# KiCad board JL-rev1.kicad_pcb (continued)
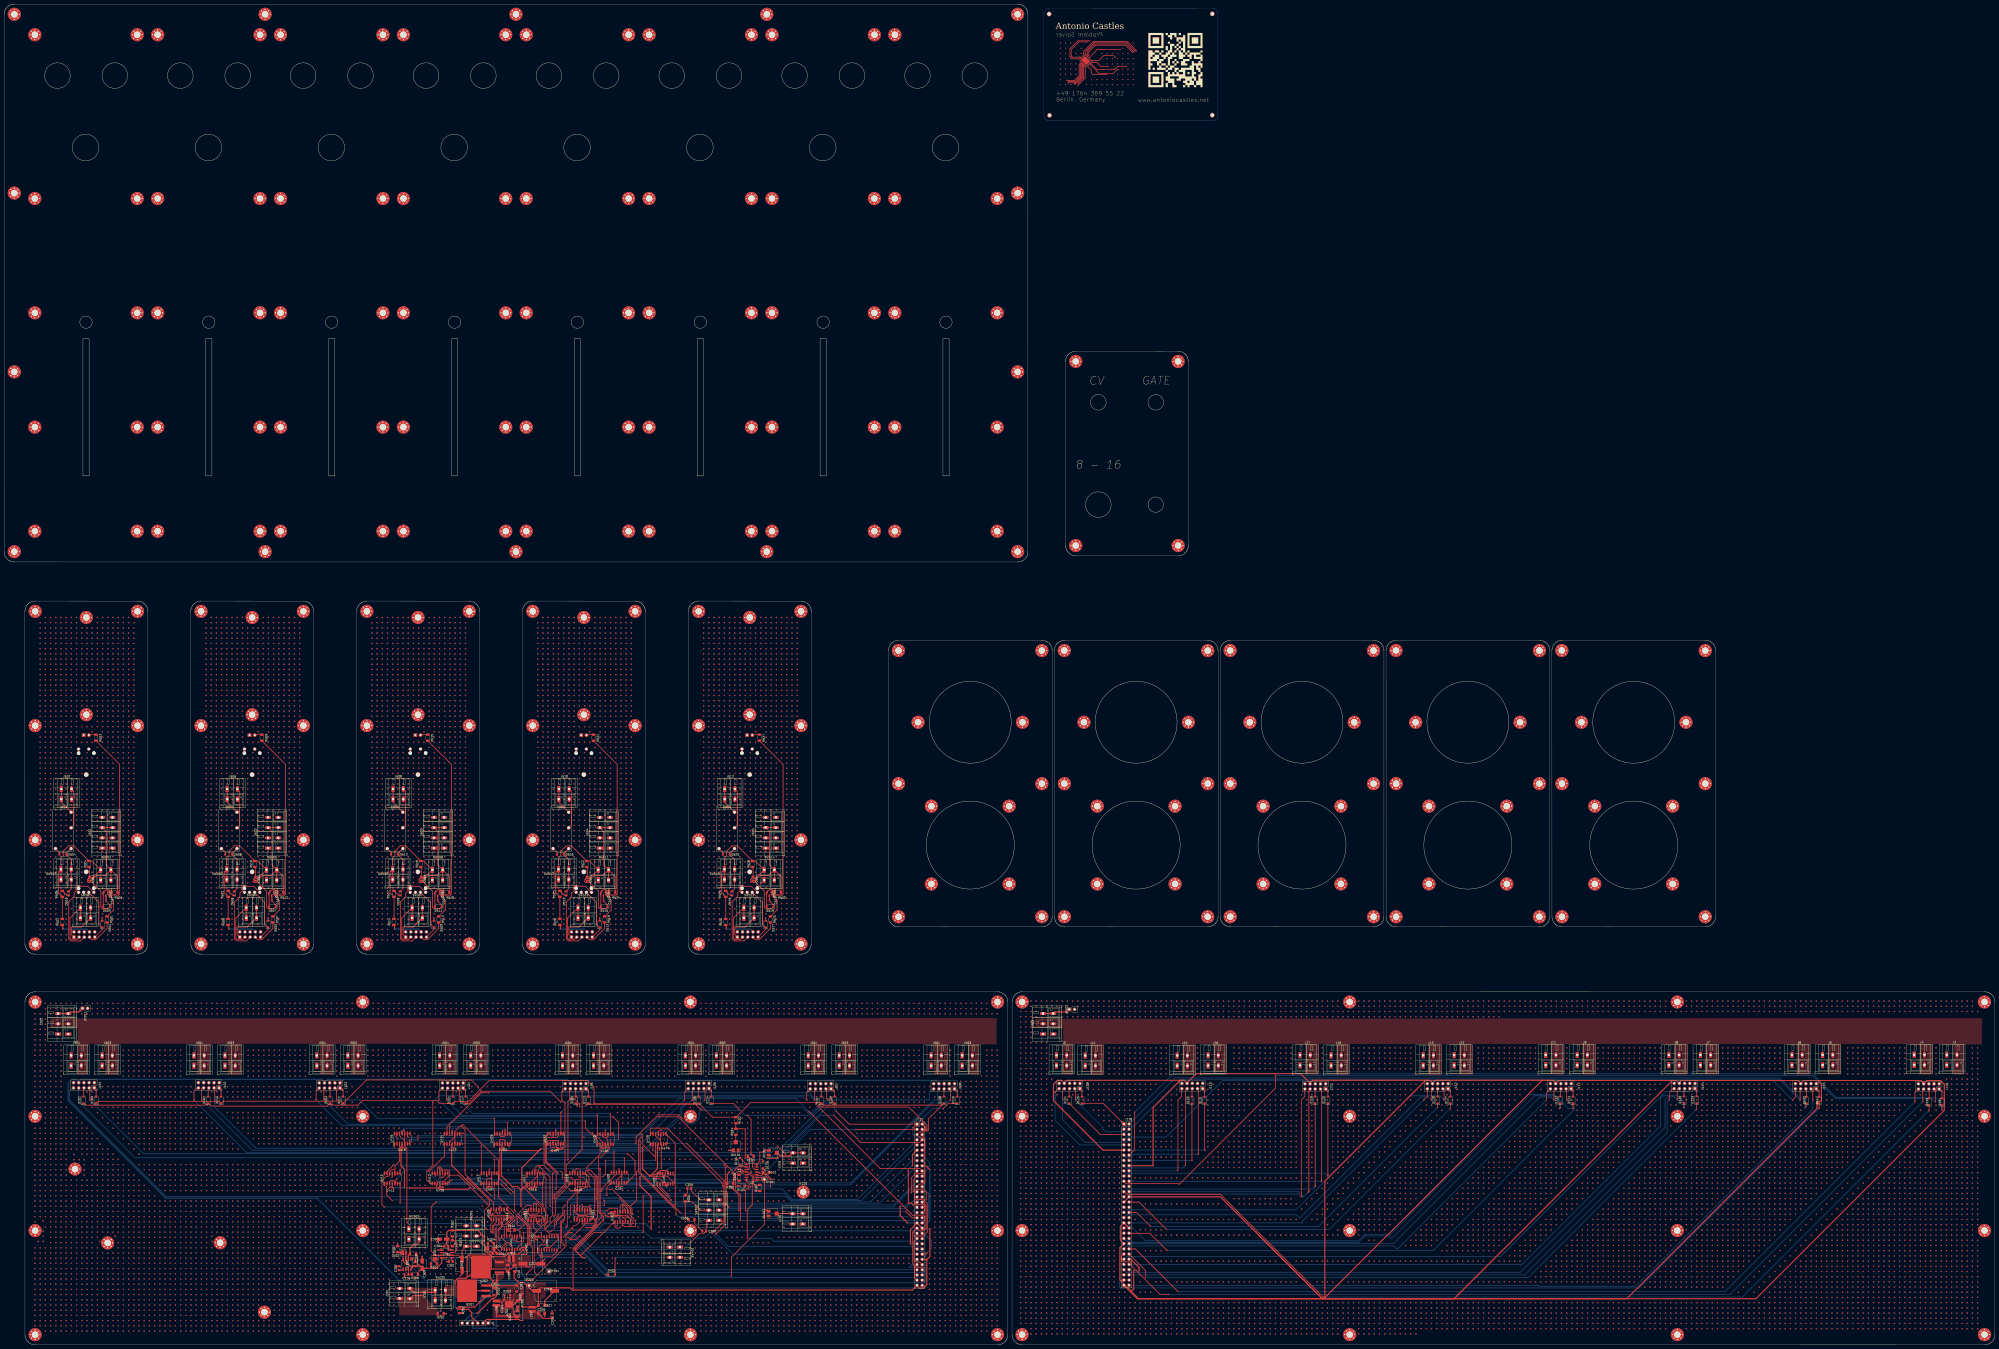
[diagram p0: board, top side]
## Routing (per net, layer and track width the routed paths; a pad name or vN(x,y) marks a point on that pad's centre or on a via; arc(x,y) is an arc through that point) (continued)
v4(885.06,15.55) v4(885.06,13.01) v4(885.06,10.47) v4(885.06,7.93) v4(887.6,167.95) v4(887.6,165.41) v4(887.6,162.87) v4(887.6,112.07) v4(887.6,109.53) v4(887.6,106.99) v4(887.6,104.45) v4(887.6,101.91) v4(887.6,99.37) v4(887.6,96.83) v4(887.6,94.29) v4(887.6,91.75) v4(887.6,89.21) v4(887.6,86.67) v4(887.6,84.13) v4(887.6,81.59) v4(887.6,79.05) v4(887.6,76.51) v4(887.6,66.35) v4(887.6,58.73) v4(887.6,51.11) v4(887.6,48.57) v4(887.6,46.03) v4(887.6,43.49) v4(887.6,40.95) v4(887.6,38.41) v4(887.6,35.87) v4(887.6,33.33) v4(887.6,30.79) v4(887.6,28.25) v4(887.6,25.71) v4(887.6,23.17) v4(887.6,20.63) v4(887.6,18.09) v4(887.6,15.55) v4(887.6,13.01) v4(887.6,10.47) v4(887.6,7.93) v4(890.14,167.95) v4(890.14,165.41) v4(890.14,162.87) v4(890.14,122.23) v4(890.14,119.69) v4(890.14,117.15) v4(890.14,114.61) v4(890.14,112.07) v4(890.14,109.53) v4(890.14,106.99) v4(890.14,104.45) v4(890.14,101.91) v4(890.14,99.37) v4(890.14,96.83) v4(890.14,94.29) v4(890.14,91.75) v4(890.14,89.21) v4(890.14,86.67) v4(890.14,84.13) v4(890.14,81.59) v4(890.14,79.05) v4(890.14,68.89) v4(890.14,61.27) v4(890.14,53.65) v4(890.14,51.11) v4(890.14,48.57) v4(890.14,46.03) v4(890.14,43.49) v4(890.14,40.95) v4(890.14,38.41) v4(890.14,35.87) v4(890.14,33.33) v4(890.14,30.79) v4(890.14,28.25) v4(890.14,25.71) v4(890.14,23.17) v4(890.14,20.63) v4(890.14,18.09) v4(890.14,15.55) v4(890.14,13.01) v4(890.14,10.47) v4(890.14,7.93) v4(892.68,167.95) v4(892.68,165.41) v4(892.68,162.87) v4(892.68,127.31) v4(892.68,119.69) v4(892.68,117.15) v4(892.68,114.61) v4(892.68,112.07) v4(892.68,109.53) v4(892.68,106.99) v4(892.68,104.45) v4(892.68,101.91) v4(892.68,99.37) v4(892.68,96.83) v4(892.68,94.29) v4(892.68,91.75) v4(892.68,89.21) v4(892.68,86.67) v4(892.68,84.13) v4(892.68,81.59) v4(892.68,71.43) v4(892.68,63.81) v4(892.68,56.19) v4(892.68,53.65) v4(892.68,51.11) v4(892.68,48.57) v4(892.68,46.03) v4(892.68,43.49) v4(892.68,40.95) v4(892.68,38.41) v4(892.68,35.87) v4(892.68,33.33) v4(892.68,30.79) v4(892.68,28.25) v4(892.68,25.71) v4(892.68,23.17) v4(892.68,20.63) v4(892.68,18.09) v4(892.68,15.55) v4(892.68,13.01) v4(892.68,10.47) v4(892.68,7.93) v4(895.22,167.95) v4(895.22,165.41) v4(895.22,162.87) v4(895.22,127.31) v4(895.22,124.77) v4(895.22,117.15) v4(895.22,114.61) v4(895.22,112.07) v4(895.22,109.53) v4(895.22,106.99) v4(895.22,104.45) v4(895.22,101.91) v4(895.22,99.37) v4(895.22,96.83) v4(895.22,94.29) v4(895.22,91.75) v4(895.22,89.21) v4(895.22,86.67) v4(895.22,84.13) v4(895.22,73.97) v4(895.22,66.35) v4(895.22,58.73) v4(895.22,56.19) v4(895.22,53.65) v4(895.22,51.11) v4(895.22,48.57) v4(895.22,46.03) v4(895.22,43.49) v4(895.22,40.95) v4(895.22,38.41) v4(895.22,35.87) v4(895.22,33.33) v4(895.22,30.79) v4(895.22,28.25) v4(895.22,25.71) v4(895.22,23.17) v4(895.22,20.63) v4(895.22,18.09) v4(895.22,15.55) v4(895.22,13.01) v4(895.22,10.47) v4(895.22,7.93) v4(897.76,167.95) v4(897.76,165.41) v4(897.76,162.87) v4(897.76,127.31) v4(897.76,124.77) v4(897.76,122.23) v4(897.76,117.15) v4(897.76,114.61) v4(897.76,112.07) v4(897.76,109.53) v4(897.76,106.99) v4(897.76,104.45) v4(897.76,101.91) v4(897.76,99.37) v4(897.76,96.83) v4(897.76,94.29) v4(897.76,91.75) v4(897.76,89.21) v4(897.76,86.67) v4(897.76,76.51) v4(897.76,68.89) v4(897.76,61.27) v4(897.76,58.73) v4(897.76,56.19) v4(897.76,53.65) v4(897.76,51.11) v4(897.76,48.57) v4(897.76,46.03) v4(897.76,43.49) v4(897.76,40.95) v4(897.76,38.41) v4(897.76,35.87) v4(897.76,33.33) v4(897.76,30.79) v4(897.76,28.25) v4(897.76,25.71) v4(897.76,23.17) v4(897.76,20.63) v4(897.76,18.09) v4(897.76,15.55) v4(897.76,13.01) v4(897.76,10.47) v4(897.76,7.93) v4(900.3,167.95) v4(900.3,165.41) v4(900.3,162.87) v4(900.3,145.09) v4(900.3,142.55) v4(900.3,140.01) v4(900.3,137.47) v4(900.3,134.93) v4(900.3,132.39) v4(900.3,127.31) v4(900.3,124.77) v4(900.3,122.23) v4(900.3,117.15) v4(900.3,114.61) v4(900.3,112.07) v4(900.3,109.53) v4(900.3,106.99) v4(900.3,104.45) v4(900.3,101.91) v4(900.3,99.37) v4(900.3,96.83) v4(900.3,94.29) v4(900.3,91.75) v4(900.3,89.21) v4(900.3,79.05) v4(900.3,71.43) v4(900.3,63.81) v4(900.3,61.27) v4(900.3,58.73) v4(900.3,56.19) v4(900.3,53.65) v4(900.3,51.11) v4(900.3,48.57) v4(900.3,46.03) v4(900.3,43.49) v4(900.3,40.95) v4(900.3,38.41) v4(900.3,35.87) v4(900.3,33.33) v4(900.3,30.79) v4(900.3,28.25) v4(900.3,25.71) v4(900.3,23.17) v4(900.3,20.63) v4(900.3,18.09) v4(900.3,15.55) v4(900.3,13.01) v4(900.3,10.47) v4(900.3,7.93) v4(902.84,167.95) v4(902.84,165.41) v4(902.84,162.87) v4(902.84,145.09) v4(902.84,142.55) v4(902.84,140.01) v4(902.84,137.47) v4(902.84,134.93) v4(902.84,132.39) v4(902.84,127.31) v4(902.84,124.77) v4(902.84,122.23) v4(902.84,117.15) v4(902.84,114.61) v4(902.84,112.07) v4(902.84,109.53) v4(902.84,106.99) v4(902.84,104.45) v4(902.84,101.91) v4(902.84,99.37) v4(902.84,96.83) v4(902.84,94.29) v4(902.84,91.75) v4(902.84,81.59) v4(902.84,73.97) v4(902.84,66.35) v4(902.84,63.81) v4(902.84,61.27) v4(902.84,58.73) v4(902.84,56.19) v4(902.84,53.65) v4(902.84,51.11) v4(902.84,48.57) v4(902.84,46.03) v4(902.84,43.49) v4(902.84,40.95) v4(902.84,38.41) v4(902.84,35.87) v4(902.84,33.33) v4(902.84,30.79) v4(902.84,28.25) v4(902.84,25.71) v4(902.84,23.17) v4(902.84,20.63) v4(902.84,18.09) v4(902.84,15.55) v4(902.84,13.01) v4(902.84,10.47) v4(902.84,7.93) v4(905.38,167.95) v4(905.38,165.41) v4(905.38,162.87) v4(905.38,145.09) v4(905.38,142.55) v4(905.38,140.01) v4(905.38,137.47) v4(905.38,134.93) v4(905.38,132.39) v4(905.38,127.31) v4(905.38,124.77) v4(905.38,122.23) v4(905.38,117.15) v4(905.38,114.61) v4(905.38,112.07) v4(905.38,109.53) v4(905.38,106.99) v4(905.38,104.45) v4(905.38,101.91) v4(905.38,99.37) v4(905.38,96.83) v4(905.38,94.29) v4(905.38,84.13) v4(905.38,76.51) v4(905.38,68.89) v4(905.38,66.35) v4(905.38,63.81) v4(905.38,61.27) v4(905.38,58.73) v4(905.38,56.19) v4(905.38,53.65) v4(905.38,51.11) v4(905.38,48.57) v4(905.38,46.03) v4(905.38,43.49) v4(905.38,40.95) v4(905.38,38.41) v4(905.38,35.87) v4(905.38,33.33) v4(905.38,30.79) v4(905.38,28.25) v4(905.38,25.71) v4(905.38,23.17) v4(905.38,20.63) v4(905.38,18.09) v4(905.38,15.55) v4(905.38,13.01) v4(905.38,10.47) v4(905.38,7.93) v4(907.92,167.95) v4(907.92,165.41) v4(907.92,162.87) v4(907.92,145.09) v4(907.92,142.55) v4(907.92,140.01) v4(907.92,137.47) v4(907.92,134.93) v4(907.92,132.39) v4(907.92,127.31) v4(907.92,124.77) v4(907.92,122.23) v4(907.92,117.15) v4(907.92,114.61) v4(907.92,112.07) v4(907.92,109.53) v4(907.92,106.99) v4(907.92,104.45) v4(907.92,101.91) v4(907.92,99.37) v4(907.92,96.83) v4(907.92,86.67) v4(907.92,79.05) v4(907.92,71.43) v4(907.92,68.89) v4(907.92,66.35) v4(907.92,63.81) v4(907.92,61.27) v4(907.92,58.73) v4(907.92,56.19) v4(907.92,53.65) v4(907.92,51.11) v4(907.92,48.57) v4(907.92,46.03) v4(907.92,43.49) v4(907.92,40.95) v4(907.92,38.41) v4(907.92,35.87) v4(907.92,33.33) v4(907.92,30.79) v4(907.92,28.25) v4(907.92,25.71) v4(907.92,23.17) v4(907.92,20.63) v4(907.92,18.09) v4(907.92,15.55) v4(907.92,13.01) v4(907.92,10.47) v4(907.92,7.93) v4(910.46,167.95) v4(910.46,165.41) v4(910.46,162.87) v4(910.46,145.09) v4(910.46,142.55) v4(910.46,140.01) v4(910.46,137.47) v4(910.46,134.93) v4(910.46,132.39) v4(910.46,127.31) v4(910.46,124.77) v4(910.46,122.23) v4(910.46,117.15) v4(910.46,114.61) v4(910.46,112.07) v4(910.46,109.53) v4(910.46,106.99) v4(910.46,104.45) v4(910.46,101.91) v4(910.46,99.37) v4(910.46,89.21) v4(910.46,81.59) v4(910.46,73.97) v4(910.46,71.43) v4(910.46,68.89) v4(910.46,66.35) v4(910.46,63.81) v4(910.46,61.27) v4(910.46,58.73) v4(910.46,56.19) v4(910.46,53.65) v4(910.46,51.11) v4(910.46,48.57) v4(910.46,46.03) v4(910.46,43.49) v4(910.46,40.95) v4(910.46,38.41) v4(910.46,35.87) v4(910.46,33.33) v4(910.46,30.79) v4(910.46,28.25) v4(910.46,25.71) v4(910.46,23.17) v4(910.46,20.63) v4(910.46,18.09) v4(910.46,15.55) v4(910.46,13.01) v4(910.46,10.47) v4(910.46,7.93) v4(913,167.95) v4(913,165.41) v4(913,162.87) v4(913,145.09) v4(913,142.55) v4(913,140.01) v4(913,137.47) v4(913,134.93) v4(913,132.39) v4(913,127.31) v4(913,124.77) v4(913,122.23) v4(913,117.15) v4(913,114.61) v4(913,112.07) v4(913,109.53) v4(913,106.99) v4(913,104.45) v4(913,101.91) v4(913,91.75) v4(913,84.13) v4(913,76.51) v4(913,73.97) v4(913,71.43) v4(913,68.89) v4(913,66.35) v4(913,63.81) v4(913,61.27) v4(913,58.73) v4(913,56.19) v4(913,53.65) v4(913,51.11) v4(913,48.57) v4(913,46.03) v4(913,43.49) v4(913,40.95) v4(913,38.41) v4(913,35.87) v4(913,33.33) v4(913,30.79) v4(913,28.25) v4(913,25.71) v4(913,23.17) v4(913,20.63) v4(913,18.09) v4(913,15.55) v4(913,13.01) v4(913,10.47) v4(913,7.93) v4(915.54,167.95) v4(915.54,165.41) v4(915.54,162.87) v4(915.54,145.09) v4(915.54,142.55) v4(915.54,140.01) v4(915.54,137.47) v4(915.54,134.93) v4(915.54,132.39) v4(915.54,127.31) v4(915.54,124.77) v4(915.54,122.23) v4(915.54,117.15) v4(915.54,114.61) v4(915.54,112.07) v4(915.54,109.53) v4(915.54,106.99) v4(915.54,104.45) v4(915.54,94.29) v4(915.54,86.67) v4(915.54,79.05) v4(915.54,76.51) v4(915.54,73.97) v4(915.54,71.43) v4(915.54,68.89) v4(915.54,66.35) v4(915.54,63.81) v4(915.54,61.27) v4(915.54,58.73) v4(915.54,56.19) v4(915.54,53.65) v4(915.54,51.11) v4(915.54,48.57) v4(915.54,46.03) v4(915.54,43.49) v4(915.54,40.95) v4(915.54,38.41) v4(915.54,35.87) v4(915.54,33.33) v4(915.54,30.79) v4(915.54,28.25) v4(915.54,25.71) v4(915.54,23.17) v4(915.54,20.63) v4(915.54,18.09) v4(915.54,15.55) v4(915.54,13.01) v4(915.54,10.47) v4(915.54,7.93) v4(918.08,167.95) v4(918.08,165.41) v4(918.08,162.87) v4(918.08,145.09) v4(918.08,142.55) v4(918.08,140.01) v4(918.08,137.47) v4(918.08,134.93) v4(918.08,132.39) v4(918.08,127.31) v4(918.08,124.77) v4(918.08,122.23) v4(918.08,117.15) v4(918.08,114.61) v4(918.08,112.07) v4(918.08,109.53) v4(918.08,106.99) v4(918.08,96.83) v4(918.08,89.21) v4(918.08,81.59) v4(918.08,79.05) v4(918.08,76.51) v4(918.08,73.97) v4(918.08,71.43) v4(918.08,68.89) v4(918.08,66.35) v4(918.08,63.81) v4(918.08,61.27) v4(918.08,58.73) v4(918.08,56.19) v4(918.08,53.65) v4(918.08,51.11) v4(918.08,48.57) v4(918.08,46.03) v4(918.08,43.49) v4(918.08,40.95) v4(918.08,38.41) v4(918.08,35.87) v4(918.08,33.33) v4(918.08,30.79) v4(918.08,28.25) v4(918.08,25.71) v4(918.08,23.17) v4(918.08,20.63) v4(918.08,18.09) v4(918.08,15.55) v4(918.08,13.01) v4(918.08,10.47) v4(918.08,7.93) v4(920.62,167.95) v4(920.62,165.41) v4(920.62,162.87) v4(920.62,145.09) v4(920.62,142.55) v4(920.62,140.01) v4(920.62,137.47) v4(920.62,134.93) v4(920.62,132.39) v4(920.62,127.31) v4(920.62,124.77) v4(920.62,122.23) v4(920.62,117.15) v4(920.62,114.61) v4(920.62,112.07) v4(920.62,109.53) v4(920.62,99.37) v4(920.62,91.75) v4(920.62,84.13) v4(920.62,81.59) v4(920.62,79.05) v4(920.62,76.51) v4(920.62,73.97) v4(920.62,71.43) v4(920.62,68.89) v4(920.62,66.35) v4(920.62,63.81) v4(920.62,61.27) v4(920.62,58.73) v4(920.62,56.19) v4(920.62,53.65) v4(920.62,51.11) v4(920.62,48.57) v4(920.62,46.03) v4(920.62,43.49) v4(920.62,40.95) v4(920.62,38.41) v4(920.62,35.87) v4(920.62,33.33) v4(920.62,30.79) v4(920.62,28.25) v4(920.62,25.71) v4(920.62,23.17) v4(920.62,20.63) v4(920.62,18.09) v4(920.62,15.55) v4(920.62,13.01) v4(920.62,10.47) v4(920.62,7.93) v4(923.16,167.95) v4(923.16,165.41) v4(923.16,162.87) v4(923.16,145.09) v4(923.16,142.55) v4(923.16,140.01) v4(923.16,137.47) v4(923.16,134.93) v4(923.16,132.39) v4(923.16,127.31) v4(923.16,124.77) v4(923.16,122.23) v4(923.16,117.15) v4(923.16,114.61) v4(923.16,112.07) v4(923.16,101.91) v4(923.16,94.29) v4(923.16,86.67) v4(923.16,84.13) v4(923.16,81.59) v4(923.16,79.05) v4(923.16,76.51) v4(923.16,73.97) v4(923.16,71.43) v4(923.16,68.89) v4(923.16,66.35) v4(923.16,63.81) v4(923.16,61.27) v4(923.16,58.73) v4(923.16,56.19) v4(923.16,53.65) v4(923.16,51.11) v4(923.16,48.57) v4(923.16,46.03) v4(923.16,43.49) v4(923.16,40.95) v4(923.16,38.41) v4(923.16,35.87) v4(923.16,33.33) v4(923.16,30.79) v4(923.16,28.25) v4(923.16,25.71) v4(923.16,23.17) v4(923.16,20.63) v4(923.16,18.09) v4(923.16,15.55) v4(923.16,13.01) v4(923.16,10.47) v4(923.16,7.93) v4(925.7,167.95) v4(925.7,165.41) v4(925.7,162.87) v4(925.7,145.09) v4(925.7,142.55) v4(925.7,140.01) v4(925.7,137.47) v4(925.7,134.93) v4(925.7,132.39) v4(925.7,127.31) v4(925.7,124.77) v4(925.7,122.23) v4(925.7,117.15) v4(925.7,114.61) v4(925.7,104.45) v4(925.7,96.83) v4(925.7,89.21) v4(925.7,86.67) v4(925.7,84.13) v4(925.7,81.59) v4(925.7,79.05) v4(925.7,76.51) v4(925.7,73.97) v4(925.7,71.43) v4(925.7,68.89) v4(925.7,66.35) v4(925.7,63.81) v4(925.7,61.27) v4(925.7,58.73) v4(925.7,56.19) v4(925.7,53.65) v4(925.7,51.11) v4(925.7,48.57) v4(925.7,46.03) v4(925.7,43.49) v4(925.7,40.95) v4(925.7,38.41) v4(925.7,35.87) v4(925.7,33.33) v4(925.7,30.79) v4(925.7,28.25) v4(925.7,25.71) v4(925.7,23.17) v4(925.7,20.63) v4(925.7,18.09) v4(925.7,15.55) v4(925.7,13.01) v4(925.7,10.47) v4(925.7,7.93) v4(928.24,167.95) v4(928.24,165.41) v4(928.24,162.87) v4(928.24,145.09) v4(928.24,142.55) v4(928.24,140.01) v4(928.24,137.47) v4(928.24,134.93) v4(928.24,132.39) v4(928.24,127.31) v4(928.24,124.77) v4(928.24,122.23) v4(928.24,117.15) v4(928.24,106.99) v4(928.24,99.37) v4(928.24,91.75) v4(928.24,89.21) v4(928.24,86.67) v4(928.24,84.13) v4(928.24,81.59) v4(928.24,79.05) v4(928.24,76.51) v4(928.24,73.97) v4(928.24,71.43) v4(928.24,68.89) v4(928.24,66.35) v4(928.24,63.81) v4(928.24,61.27) v4(928.24,58.73) v4(928.24,56.19) v4(928.24,53.65) v4(928.24,51.11) v4(928.24,48.57) v4(928.24,46.03) v4(928.24,43.49) v4(928.24,40.95) v4(928.24,38.41) v4(928.24,35.87) v4(928.24,33.33) v4(928.24,30.79) v4(928.24,28.25) v4(928.24,25.71) v4(928.24,23.17) v4(928.24,20.63) v4(928.24,18.09) v4(928.24,15.55) v4(928.24,13.01) v4(928.24,10.47) v4(928.24,7.93) v4(930.78,167.95) v4(930.78,165.41) v4(930.78,162.87) v4(930.78,127.31) v4(930.78,124.77) v4(930.78,122.23) v4(930.78,109.53) v4(930.78,101.91) v4(930.78,94.29) v4(930.78,91.75) v4(930.78,89.21) v4(930.78,86.67) v4(930.78,84.13) v4(930.78,81.59) v4(930.78,79.05) v4(930.78,76.51) v4(930.78,73.97) v4(930.78,71.43) v4(930.78,68.89) v4(930.78,66.35) v4(930.78,63.81) v4(930.78,61.27) v4(930.78,58.73) v4(930.78,56.19) v4(930.78,53.65) v4(930.78,51.11) v4(930.78,48.57) v4(930.78,46.03) v4(930.78,43.49) v4(930.78,40.95) v4(930.78,38.41) v4(930.78,35.87) v4(930.78,33.33) v4(930.78,30.79) v4(930.78,28.25) v4(930.78,25.71) v4(930.78,23.17) v4(930.78,20.63) v4(930.78,18.09) v4(930.78,15.55) v4(930.78,13.01) v4(930.78,10.47) v4(930.78,7.93) v4(933.32,167.95) v4(933.32,165.41) v4(933.32,162.87) v4(933.32,112.07) v4(933.32,104.45) v4(933.32,96.83) v4(933.32,94.29) v4(933.32,91.75) v4(933.32,89.21) v4(933.32,86.67) v4(933.32,84.13) v4(933.32,81.59) v4(933.32,79.05) v4(933.32,76.51) v4(933.32,73.97) v4(933.32,71.43) v4(933.32,68.89) v4(933.32,66.35) v4(933.32,63.81) v4(933.32,61.27) v4(933.32,58.73) v4(933.32,56.19) v4(933.32,53.65) v4(933.32,51.11) v4(933.32,48.57) v4(933.32,46.03) v4(933.32,43.49) v4(933.32,40.95) v4(933.32,38.41) v4(933.32,35.87) v4(933.32,33.33) v4(933.32,30.79) v4(933.32,28.25) v4(933.32,25.71) v4(933.32,23.17) v4(933.32,20.63) v4(933.32,18.09) v4(933.32,15.55) v4(933.32,13.01) v4(933.32,10.47) v4(933.32,7.93) v4(935.86,167.95) v4(935.86,165.41) v4(935.86,162.87) v4(935.86,122.23) v4(935.86,114.61) v4(935.86,106.99) v4(935.86,99.37) v4(935.86,96.83) v4(935.86,94.29) v4(935.86,91.75) v4(935.86,89.21) v4(935.86,86.67) v4(935.86,84.13) v4(935.86,81.59) v4(935.86,79.05) v4(935.86,76.51) v4(935.86,73.97) v4(935.86,71.43) v4(935.86,68.89) v4(935.86,66.35) v4(935.86,63.81) v4(935.86,61.27) v4(935.86,58.73) v4(935.86,56.19) v4(935.86,53.65) v4(935.86,51.11) v4(935.86,48.57) v4(935.86,46.03) v4(935.86,43.49) v4(935.86,40.95) v4(935.86,38.41) v4(935.86,35.87) v4(935.86,33.33) v4(935.86,30.79) v4(935.86,28.25) v4(935.86,25.71) v4(935.86,23.17) v4(935.86,20.63) v4(935.86,18.09) v4(935.86,15.55) v4(935.86,13.01) v4(935.86,10.47) v4(935.86,7.93) v4(938.4,167.95) v4(938.4,165.41) v4(938.4,162.87) v4(938.4,122.23) v4(938.4,117.15) v4(938.4,109.53) v4(938.4,101.91) v4(938.4,99.37) v4(938.4,96.83) v4(938.4,94.29) v4(938.4,91.75) v4(938.4,89.21) v4(938.4,86.67) v4(938.4,84.13) v4(938.4,81.59) v4(938.4,79.05) v4(938.4,76.51) v4(938.4,73.97) v4(938.4,71.43) v4(938.4,68.89) v4(938.4,66.35) v4(938.4,63.81) v4(938.4,61.27) v4(938.4,58.73) v4(938.4,56.19) v4(938.4,53.65) v4(938.4,51.11) v4(938.4,48.57) v4(938.4,46.03) v4(938.4,43.49) v4(938.4,40.95) v4(938.4,38.41) v4(938.4,35.87) v4(938.4,33.33) v4(938.4,30.79) v4(938.4,28.25) v4(938.4,25.71) v4(938.4,23.17) v4(938.4,20.63) v4(938.4,18.09) v4(938.4,15.55) v4(938.4,13.01) v4(938.4,10.47) v4(938.4,7.93) v4(940.94,167.95) v4(940.94,165.41) v4(940.94,162.87) v4(940.94,112.07) v4(940.94,104.45) v4(940.94,101.91) v4(940.94,99.37) v4(940.94,96.83) v4(940.94,94.29) v4(940.94,91.75) v4(940.94,89.21) v4(940.94,86.67) v4(940.94,84.13) v4(940.94,81.59) v4(940.94,79.05) v4(940.94,76.51) v4(940.94,73.97) v4(940.94,71.43) v4(940.94,68.89) v4(940.94,66.35) v4(940.94,63.81) v4(940.94,61.27) v4(940.94,58.73) v4(940.94,56.19) v4(940.94,53.65) v4(940.94,51.11) v4(940.94,48.57) v4(940.94,46.03) v4(940.94,43.49) v4(940.94,40.95) v4(940.94,38.41) v4(940.94,35.87) v4(940.94,33.33) v4(940.94,30.79) v4(940.94,28.25) v4(940.94,25.71) v4(940.94,23.17) v4(940.94,20.63) v4(940.94,18.09) v4(940.94,15.55) v4(940.94,13.01) v4(940.94,10.47) v4(940.94,7.93) v4(943.48,167.95) v4(943.48,165.41) v4(943.48,162.87) v4(943.48,145.09) v4(943.48,142.55) v4(943.48,140.01) v4(943.48,137.47) v4(943.48,134.93) v4(943.48,132.39) v4(943.48,117.15) v4(943.48,114.61) v4(943.48,106.99) v4(943.48,104.45) v4(943.48,101.91) v4(943.48,99.37) v4(943.48,96.83) v4(943.48,94.29) v4(943.48,91.75) v4(943.48,89.21) v4(943.48,86.67) v4(943.48,84.13) v4(943.48,81.59) v4(943.48,79.05) v4(943.48,76.51) v4(943.48,73.97) v4(943.48,71.43) v4(943.48,68.89) v4(943.48,66.35) v4(943.48,63.81) v4(943.48,61.27) v4(943.48,58.73) v4(943.48,56.19) v4(943.48,53.65) v4(943.48,51.11) v4(943.48,48.57) v4(943.48,46.03) v4(943.48,43.49) v4(943.48,40.95) v4(943.48,38.41) v4(943.48,35.87) v4(943.48,33.33) v4(943.48,30.79) v4(943.48,28.25) v4(943.48,25.71) v4(943.48,23.17) v4(943.48,20.63) v4(943.48,18.09) v4(943.48,15.55) v4(943.48,13.01) v4(943.48,10.47) v4(943.48,7.93) v4(946.02,167.95) v4(946.02,165.41) v4(946.02,162.87) v4(946.02,109.53) v4(946.02,106.99) v4(946.02,104.45) v4(946.02,101.91) v4(946.02,99.37) v4(946.02,96.83) v4(946.02,94.29) v4(946.02,91.75) v4(946.02,89.21) v4(946.02,86.67) v4(946.02,84.13) v4(946.02,81.59) v4(946.02,79.05) v4(946.02,76.51) v4(946.02,73.97) v4(946.02,71.43) v4(946.02,68.89) v4(946.02,66.35) v4(946.02,63.81) v4(946.02,61.27) v4(946.02,58.73) v4(946.02,56.19) v4(946.02,53.65) v4(946.02,51.11) v4(946.02,48.57) v4(946.02,46.03) v4(946.02,43.49) v4(946.02,40.95) v4(946.02,38.41) v4(946.02,35.87) v4(946.02,33.33) v4(946.02,30.79) v4(946.02,28.25) v4(946.02,25.71) v4(946.02,23.17) v4(946.02,20.63) v4(946.02,18.09) v4(946.02,15.55) v4(946.02,13.01) v4(946.02,10.47) v4(946.02,7.93) v4(948.56,167.95) v4(948.56,165.41) v4(948.56,162.87) v4(948.56,129.85) v4(948.56,112.07) v4(948.56,109.53) v4(948.56,106.99) v4(948.56,104.45) v4(948.56,101.91) v4(948.56,99.37) v4(948.56,96.83) v4(948.56,94.29) v4(948.56,91.75) v4(948.56,89.21) v4(948.56,86.67) v4(948.56,84.13) v4(948.56,81.59) v4(948.56,79.05) v4(948.56,76.51) v4(948.56,73.97) v4(948.56,71.43) v4(948.56,68.89) v4(948.56,66.35) v4(948.56,63.81) v4(948.56,61.27) v4(948.56,58.73) v4(948.56,56.19) v4(948.56,53.65) v4(948.56,51.11) v4(948.56,48.57) v4(948.56,46.03) v4(948.56,43.49) v4(948.56,40.95) v4(948.56,38.41) v4(948.56,35.87) v4(948.56,33.33) v4(948.56,30.79) v4(948.56,28.25) v4(948.56,25.71) v4(948.56,23.17) v4(948.56,20.63) v4(948.56,18.09) v4(948.56,15.55) v4(948.56,13.01) v4(948.56,10.47) v4(948.56,7.93) v4(951.1,167.95) v4(951.1,165.41) v4(951.1,162.87) v4(951.1,129.85) v4(951.1,127.31) v4(951.1,124.77) v4(951.1,122.23) v4(951.1,119.69) v4(951.1,117.15) v4(951.1,114.61) v4(951.1,112.07) v4(951.1,109.53) v4(951.1,106.99) v4(951.1,104.45) v4(951.1,101.91) v4(951.1,99.37) v4(951.1,96.83) v4(951.1,94.29) v4(951.1,91.75) v4(951.1,89.21) v4(951.1,86.67) v4(951.1,84.13) v4(951.1,81.59) v4(951.1,79.05) v4(951.1,76.51) v4(951.1,73.97) v4(951.1,71.43) v4(951.1,68.89) v4(951.1,66.35) v4(951.1,63.81) v4(951.1,61.27) v4(951.1,58.73) v4(951.1,56.19) v4(951.1,53.65) v4(951.1,51.11) v4(951.1,48.57) v4(951.1,46.03) v4(951.1,43.49) v4(951.1,40.95) v4(951.1,38.41) v4(951.1,35.87) v4(951.1,33.33) v4(951.1,30.79) v4(951.1,28.25) v4(951.1,25.71) v4(951.1,23.17) v4(951.1,20.63) v4(951.1,18.09) v4(951.1,15.55) v4(951.1,13.01) v4(951.1,10.47) v4(951.1,7.93) v4(953.64,167.95) v4(953.64,165.41) v4(953.64,162.87) v4(953.64,129.85) v4(953.64,127.31) v4(953.64,124.77) v4(953.64,122.23) v4(953.64,119.69) v4(953.64,117.15) v4(953.64,114.61) v4(953.64,112.07) v4(953.64,109.53) v4(953.64,106.99) v4(953.64,104.45) v4(953.64,101.91) v4(953.64,99.37) v4(953.64,96.83) v4(953.64,94.29) v4(953.64,91.75) v4(953.64,89.21) v4(953.64,86.67) v4(953.64,84.13) v4(953.64,81.59) v4(953.64,79.05) v4(953.64,76.51) v4(953.64,73.97) v4(953.64,71.43) v4(953.64,68.89) v4(953.64,66.35) v4(953.64,63.81) v4(953.64,61.27) v4(953.64,58.73) v4(953.64,56.19) v4(953.64,53.65) v4(953.64,51.11) v4(953.64,48.57) v4(953.64,46.03) v4(953.64,43.49) v4(953.64,40.95) v4(953.64,38.41) v4(953.64,35.87) v4(953.64,33.33) v4(953.64,30.79) v4(953.64,28.25) v4(953.64,25.71) v4(953.64,23.17) v4(953.64,20.63) v4(953.64,18.09) v4(953.64,15.55) v4(953.64,13.01) v4(953.64,10.47) v4(953.64,7.93) v4(956.18,167.95) v4(956.18,165.41) v4(956.18,162.87) v4(956.18,129.85) v4(956.18,127.31) v4(956.18,124.77) v4(956.18,122.23) v4(956.18,119.69) v4(956.18,117.15) v4(956.18,114.61) v4(956.18,112.07) v4(956.18,109.53) v4(956.18,106.99) v4(956.18,104.45) v4(956.18,101.91) v4(956.18,99.37) v4(956.18,96.83) v4(956.18,94.29) v4(956.18,91.75) v4(956.18,89.21) v4(956.18,86.67) v4(956.18,84.13) v4(956.18,81.59) v4(956.18,79.05) v4(956.18,76.51) v4(956.18,73.97) v4(956.18,71.43) v4(956.18,68.89) v4(956.18,66.35) v4(956.18,63.81) v4(956.18,61.27) v4(956.18,58.73) v4(956.18,56.19) v4(956.18,53.65) v4(956.18,51.11) v4(956.18,48.57) v4(956.18,46.03) v4(956.18,43.49) v4(956.18,40.95) v4(956.18,38.41) v4(956.18,35.87) v4(956.18,33.33) v4(956.18,30.79) v4(956.18,28.25) v4(956.18,25.71) v4(956.18,23.17) v4(956.18,20.63) v4(956.18,18.09) v4(956.18,15.55) v4(956.18,13.01) v4(956.18,10.47) v4(956.18,7.93) v4(958.72,167.95) v4(958.72,165.41) v4(958.72,162.87) v4(958.72,132.39) v4(958.72,129.85) v4(958.72,127.31) v4(958.72,124.77) v4(958.72,122.23) v4(958.72,119.69) v4(958.72,117.15) v4(958.72,114.61) v4(958.72,112.07) v4(958.72,109.53) v4(958.72,106.99) v4(958.72,104.45) v4(958.72,101.91) v4(958.72,99.37) v4(958.72,96.83) v4(958.72,94.29) v4(958.72,91.75) v4(958.72,89.21) v4(958.72,86.67) v4(958.72,84.13) v4(958.72,81.59) v4(958.72,79.05) v4(958.72,76.51) v4(958.72,73.97) v4(958.72,71.43) v4(958.72,68.89) v4(958.72,66.35) v4(958.72,63.81) v4(958.72,61.27) v4(958.72,58.73) v4(958.72,56.19) v4(958.72,53.65) v4(958.72,51.11) v4(958.72,48.57) v4(958.72,46.03) v4(958.72,43.49) v4(958.72,40.95) v4(958.72,38.41) v4(958.72,35.87) v4(958.72,33.33) v4(958.72,30.79) v4(958.72,28.25) v4(958.72,25.71) v4(958.72,23.17) v4(958.72,20.63) v4(958.72,18.09) v4(958.72,15.55) v4(958.72,13.01) v4(958.72,10.47) v4(958.72,7.93) v4(961.26,167.95) v4(961.26,165.41) v4(961.26,162.87) v4(961.26,145.09) v4(961.26,142.55) v4(961.26,140.01) v4(961.26,137.47) v4(961.26,134.93) v4(961.26,132.39) v4(961.26,129.85) v4(961.26,127.31) v4(961.26,124.77) v4(961.26,122.23) v4(961.26,119.69) v4(961.26,117.15) v4(961.26,114.61) v4(961.26,112.07) v4(961.26,109.53) v4(961.26,106.99) v4(961.26,104.45) v4(961.26,101.91) v4(961.26,99.37) v4(961.26,96.83) v4(961.26,94.29) v4(961.26,91.75) v4(961.26,89.21) v4(961.26,86.67) v4(961.26,84.13) v4(961.26,81.59) v4(961.26,79.05) v4(961.26,76.51) v4(961.26,73.97) v4(961.26,71.43) v4(961.26,68.89) v4(961.26,66.35) v4(961.26,63.81) v4(961.26,61.27) v4(961.26,58.73) v4(961.26,56.19) v4(961.26,53.65) v4(961.26,51.11) v4(961.26,48.57) v4(961.26,46.03) v4(961.26,43.49) v4(961.26,40.95) v4(961.26,38.41) v4(961.26,35.87) v4(961.26,33.33) v4(961.26,30.79) v4(961.26,28.25) v4(961.26,25.71) v4(961.26,23.17) v4(961.26,20.63) v4(961.26,18.09) v4(961.26,15.55) v4(961.26,13.01) v4(961.26,10.47) v4(961.26,7.93) v4(963.8,162.87) v4(963.8,145.09) v4(963.8,142.55) v4(963.8,140.01) v4(963.8,137.47) v4(963.8,134.93) v4(963.8,132.39) v4(963.8,129.85) v4(963.8,127.31) v4(963.8,124.77) v4(963.8,122.23) v4(963.8,119.69) v4(963.8,117.15) v4(963.8,114.61) v4(963.8,106.99) v4(963.8,104.45) v4(963.8,101.91) v4(963.8,99.37) v4(963.8,96.83) v4(963.8,94.29) v4(963.8,91.75) v4(963.8,89.21) v4(963.8,86.67) v4(963.8,84.13) v4(963.8,81.59) v4(963.8,79.05) v4(963.8,76.51) v4(963.8,73.97) v4(963.8,71.43) v4(963.8,68.89) v4(963.8,66.35) v4(963.8,63.81) v4(963.8,61.27) v4(963.8,58.73) v4(963.8,51.11) v4(963.8,48.57) v4(963.8,46.03) v4(963.8,43.49) v4(963.8,40.95) v4(963.8,38.41) v4(963.8,35.87) v4(963.8,33.33) v4(963.8,30.79) v4(963.8,28.25) v4(963.8,25.71) v4(963.8,23.17) v4(963.8,20.63) v4(963.8,18.09) v4(963.8,15.55) v4(963.8,13.01) v4(963.8,10.47) v4(963.8,7.93)
